# Altium PCB Radio_Receiver.PcbDoc (part 2 of 2)
Units mm, origin at the board's own origin, x right, y up, seen from the top; angles counter-clockwise.
Board outline 171.37 x 56.18 mm, 6 copper layers (Signal, Ground 1, 3V3_5V_12V, Ground 2, -5V_1V9, Ground 3), stack 1.619 mm thick; 106 components, 61 nets, 372 pads, 124 vias.
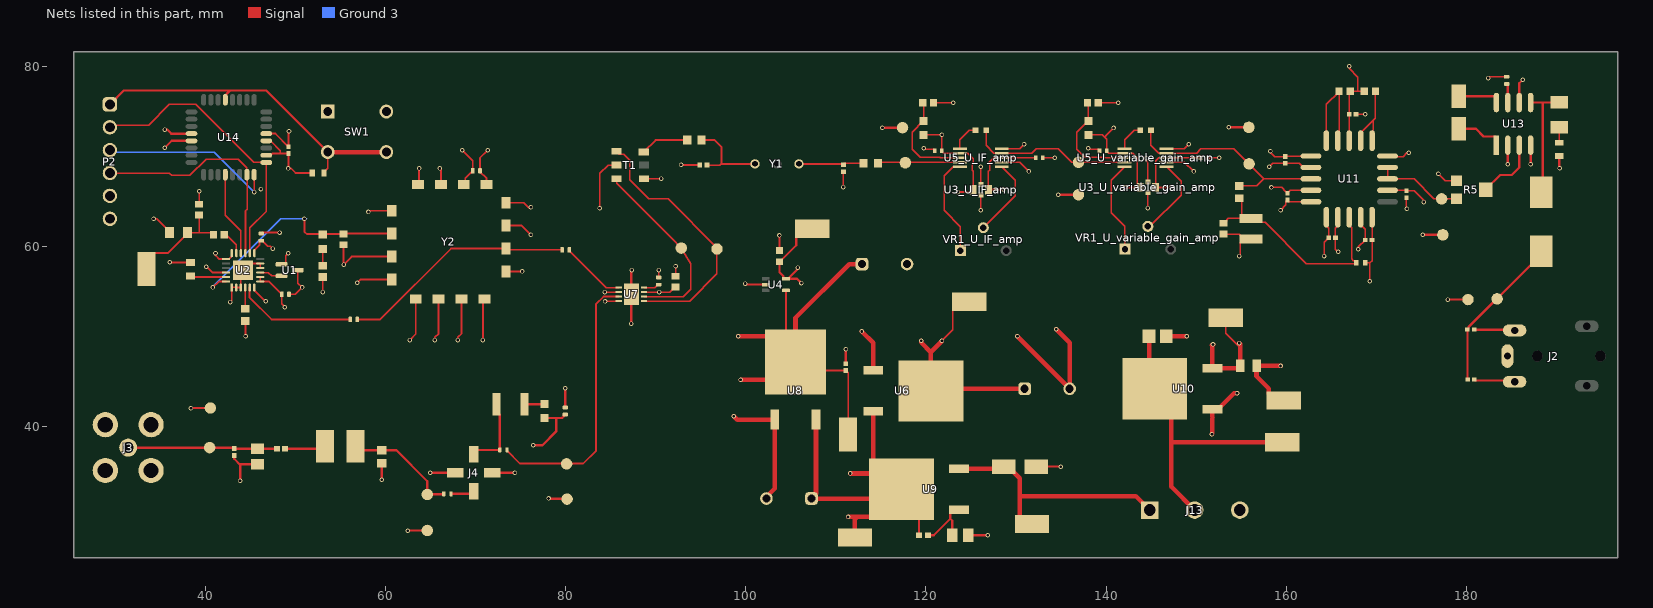
[diagram p6: the nets of this part, all layers, seen from the top]

## Part data (continued)
U2: library part CMP-09077-000033-1, "IC PLL FREQ SYNTHESIZER 24LFCSP", Frequency=13.5GHz, Max Frequency=2GHz, Max Operating Temperature=125°C, Max Supply Voltage=3.45V, Min Operating Temperature=-40°C, Min Supply Voltage=2.7V, Input=CMOS, Lead Free="Contains Lead", Mount="Surface Mount", Number of Circuits=1, Number of Pins=24, Packaging=Tray, PLL=Yes, REACH SVHC="No SVHC", RoHS Compliant=Yes
U3_U_IF_amp U3_U_variable_gain_amp: "No Description Available", Manufacturer_Name="Johanson Technology", Copyright="Copyright (C) 2025 Ultra Librarian. All rights reserved.", Manufacturer_Part_Number=100X14W104MV4T
U4: library part CMP-0394-00881-2, "Single Output LDO, 50 mA, Fixed 1.9 V Output, 3 to 24 V Input, 5-pin SC70 (DCK), -40 to 85 degC, Green (RoHS & no Sb/Br)", Manufacturer="Texas Instruments", Accuracy(%)=4, Code_JEDEC=MO-203, ComponentLink1Description="Manufacturer URL", ComponentLink1URL=http://www.ti.com/, ComponentLink2Description=Datasheet, ComponentLink2URL=http://www.ti.com/general/docs/lit/getliterature.tsp?genericPartNumber=TPS71519&fileType=pdf, ComponentLink3Description="Package Specification", ComponentLink3URL=http://www.ti.com/litv/pdf/mpds025f, DatasheetVersion=SLVS338P, Eco-Plan="Green (RoHS & no Sb/Br)", Fixed Output Options(V)=1.9, Iout(Max)(A)=0.05, Iq(Typ)(mA)=0.003, Mounting Technology="Surface Mount", PackageDescription="5-Pin Plastic Small-Outline, Body 2 x 1.25 mm, Pitch 0.65 mm", PackageReference=DCK0005A, PackageVersion=4093553-3/G, PartNumber=TPS71519DCKR, SubFamily="Single Channel LDO", Vdo(Typ)(mV)=415, Vin(Max)(V)=24, Vin(Min)(V)=3, Vout Adj(Max)(V)=1.9, Vout Adj(Min)(V)=1.9
U5_U_IF_amp U5_U_variable_gain_amp: library part CMP-0988-00055-2, "Wideband 420 MHz, > 40 dB Gain Adjust Range, Linear in V/V Variable Gain Amplifier, -40 to 85 degC, 10-pin SOP (DGS10), Green (RoHS & no Sb/Br)", Manufacturer="Texas Instruments", BW @ Acl(MHz)=710, Code_JEDEC=MO-153, ComponentLink1Description="Manufacturer URL", ComponentLink1URL=http://www.ti.com/, ComponentLink2Description=Datasheet, ComponentLink2URL=http://www.ti.com/general/docs/lit/getliterature.tsp?genericPartNumber=VCA824&fileType=pdf, ComponentLink3Description="Package Specification", ComponentLink3URL=http://www.ti.com/lit/ml/mpds035b/mpds035b.pdf, DatasheetVersion=SBOS394C, Eco-Plan="Green (RoHS & no Sb/Br)", Iib(Max)(nA)=25000, Mounting Technology="Surface Mount", Number of Channels=1, PackageDescription="10-Pin Plastic Small Outline, Body 3 x 3 mm, Pitch 0.5 mm", PackageReference=DGS0010A, PackageVersion="4073272/C, 02/2004", PartNumber=VCA824IDGST, Slew Rate(Typ)(V/us)=2500, SubFamily="Variable Gain Amplifier", Vio(Max)(mV)=17, Vn at Flatband(Typ)(nV/rtHz)=6, Vs(Max)(V)=12, Vs(Min)(V)=8
U6 U8: library part AZ1117ID-3.3TRG1, "Adjustable Positive LDO Regulator, 1.4V Dropout, PSSO2", Dropout Voltage1-Max=1.4V, Input-Output Voltage Differential-Max=10V, Input-Output Voltage Differential-Min=1.5V, Manufacturer=Diodes, Manufacturer Part Number=AZ1117ID-ADJTRG1, Mfr_Name="Diodes Inc", Operating Temperature, TJ-Max=125°C, Operating Temperature, TJ-Min=-40°C, Output Current1-Max=800mA, Package Body Material=Plastic, Package Code=TO-252, Package Shape=Rectangular, Package Style="SMALL OUTLINEMeter", Supplier Part Number 1=31-AZ1117ID-ADJTRG1CT-ND, Category="Voltage Regulators - Linear", ComponentLink1Description=https://datasheet.ciiva.com:443/pdfs/VipMasterIC/IC/DIOD/DIOD-S-A0001413888/DIOD-S-A0001413888-1.pdf?src-supplier=IHS+Markit, ComponentLink1URL=https://datasheet.ciiva.com:443/pdfs/VipMasterIC/IC/DIOD/DIOD-S-A0001413888/DIOD-S-A0001413888-1.pdf?src-supplier=IHS+Markit, ComponentLink2Description=http://www.mouser.com/ds/2/115/AZ1117-776390.pdf?src-supplier=Mouser, ComponentLink2URL=http://www.mouser.com/ds/2/115/AZ1117-776390.pdf?src-supplier=Mouser, Height - Seated (Max)=2.52mm, JESD-30 Code=R-PSSO-G2, Length=6.575mm, Number of Functions=1, Number of Pins=2, Pricing 1="1=0.72, 10=0.446, 25=0.372, 100=0.2877, 250=0.24612, 500=0.2206, 1000=0.19932 (USD)", Reach SVHC Compliant=Yes, RefDes=RefDes, Regulator Type="ADJUSTABLE POSITIVE SINGLE OUTPUT LDO REGULATOR", RoHS=Yes, RoHS Compliant=Yes, Stock 1=2477, Supplier 1=Digikey, Surface Mount=Yes, Terminal Form="Gull Wing", Terminal Pitch=2.286mm, Terminal Position=SINGLE, Type=Type, Width=6.1mm
U7: library part CMP-09144-000056-1, "IC MIXER 10KHZ-4GHZ UP/DWN 8DFN", Case/Package=DFN, Frequency=10kHz, Max Frequency=4GHz, Max Operating Temperature=85°C, Max Supply Voltage=5V, Min Operating Temperature=-40°C, Min Supply Voltage=2.7V, Operating Supply Current=12mA, Operating Supply Voltage=3V, Package Quantity=121, Power Gain=2.7dB, Bandwidth=4GHz, Gain=2.4dB, Height=0.7mm, Lead Free="Lead Free", Length=3mm, Min Frequency=10kHz, Mount="Surface Mount", Noise Figure=9.3dB, Number of Pins=8, Packaging=Rail/Tube, Radiation Hardening=No, RoHS Compliant=Yes, Series=LT5560, Width=3mm
U9: library part AZ1117ID-3.3TRG1, "Adjustable Positive LDO Regulator, 1.4V Dropout, PSSO2", Dropout Voltage1-Max=1.4V, Input-Output Voltage Differential-Max=10V, Input-Output Voltage Differential-Min=1.5V, Manufacturer=Diodes, Mfr_Name="Diodes Inc", Operating Temperature, TJ-Max=125°C, Operating Temperature, TJ-Min=-40°C, Output Current1-Max=800mA, Package Body Material=Plastic, Package Code=TO-252, Package Shape=Rectangular, Package Style="SMALL OUTLINEMeter", Supplier Part Number 1=31-AZ1117ID-ADJTRG1CT-ND, Category="Voltage Regulators - Linear", ComponentLink1Description=https://datasheet.ciiva.com:443/pdfs/VipMasterIC/IC/DIOD/DIOD-S-A0001413888/DIOD-S-A0001413888-1.pdf?src-supplier=IHS+Markit, ComponentLink1URL=https://datasheet.ciiva.com:443/pdfs/VipMasterIC/IC/DIOD/DIOD-S-A0001413888/DIOD-S-A0001413888-1.pdf?src-supplier=IHS+Markit, ComponentLink2Description=http://www.mouser.com/ds/2/115/AZ1117-776390.pdf?src-supplier=Mouser, ComponentLink2URL=http://www.mouser.com/ds/2/115/AZ1117-776390.pdf?src-supplier=Mouser, Height - Seated (Max)=2.52mm, JESD-30 Code=R-PSSO-G2, Length=6.575mm, Manufacturer Part Number=AZ1117ID-ADJTRG1, Number of Functions=1, Number of Pins=2, Pricing 1="1=0.72, 10=0.446, 25=0.372, 100=0.2877, 250=0.24612, 500=0.2206, 1000=0.19932 (USD)", Reach SVHC Compliant=Yes, RefDes=RefDes, Regulator Type="ADJUSTABLE POSITIVE SINGLE OUTPUT LDO REGULATOR", RoHS=Yes, RoHS Compliant=Yes, Stock 1=2477, Supplier 1=Digikey, Surface Mount=Yes, Terminal Form="Gull Wing", Terminal Pitch=2.286mm, Terminal Position=SINGLE, Type=Type, Width=6.1mm
U10: "No Description Available", Mfr_Name=onsemi, RefDes=RefDes, Type=Type
U11: library part CMP-0286-00001-1, "Low Distortion Mixer, 100mA Supply Current, P-20A, Pb-Free, 49 	Tube", IF Frequency (MHz)=200, LO Frequency (MHz)=400, Code_JEDEC=MO-047AA, ComponentLink1Description="Manufacturer URL", ComponentLink1URL=www.analog.com, ComponentLink2Description=Datasheet, ComponentLink2URL=http://www.analog.com/static/imported-files/data_sheets/AD831.pdf, ComponentLink3Description="Package Specification", ComponentLink3URL=http://www.analog.com/static/imported-files/packages/3121431516544404277643669223804694P20A.pdf, Conversion Gain (dB)=0dB, DatasheetVersion="Rev. C", IP3 (dBm)=24, NF (dB)=14dB, P1dB (dBm)=10, PackageDescription="20-Lead Plastic Leaded Chip Carrier [PLCC]", PackageReference=P-20A, PackageVersion=Nov-2002, RF Frequency (MHZ)=400
U13: library part CMP-0994-00003-2, "IC AMP CLASS AB MONO 325MW 8SOIC", Case/Package=D, Input Bias Current=250nA, Max Operating Temperature=70°C, Max Output Power=325mW, Max Power Dissipation=730mW, Max Supply Voltage=12V, Min Operating Temperature=0°C, Min Supply Voltage=4V, Nominal Supply Current=4mA, Operating Supply Voltage=9V, Package Quantity=2500, Power Supply Rejection Ratio (PSRR)=50dB, Voltage Gain=46dB, Bandwidth=300kHz, Contact Plating=Tin, Gain=20dB, Lead Free="Lead Free", Load Impedance=8R, Number of Channels=1, Number of Pins=8, Output Power=325mW, Packaging="Tape and Reel", Power Dissipation=730mW, Radiation Hardening=No, REACH SVHC="No SVHC", RoHS Compliant=Yes, Series=LM386, Supply Current=4mA, Supply Type=Single
U14: library part CMP-2000-07439-1, "AVR Microcontroller, 1.8 to 5.5 V, 32 KB Flash, 1 KB EEPROM, 2 KB SRAM, -40 to 85 degC, 32-Pin TQFP (32A), RoHS, Tray", Manufacturer=Microchip, Package Description="32-Pin Thin Profile Plastic Quad Flat Package, Body 7 x 7 mm, Pitch 0.8 mm", Package Reference=32A, Datasheet URL=http://ww1.microchip.com/downloads/en/DeviceDoc/40001906A.pdf, Datasheet Version="Rev. A, 04/2017", Manufacturer URL=http://www.microchip.com/, Mounting Technology=SurfaceMount, RoHSCompliant=false
VR1_U_IF_amp VR1_U_variable_gain_amp: "250 Ohms 0.5W, 1/2W PC Pins Through Hole Trimmer Potentiometer Cermet 1.0 Turn Top Adjustment", Package="3362P-1 Bourns Inc.", Availability="In Stock", Check_prices=https://www.snapeda.com/parts/3362P-1-251LF/Bourns/view-part/?ref=eda, MF=Bourns, MP=3362P-1-251LF, Price=None, Purchase-URL=https://pricing.snapeda.com/search/part/3362P-1-251LF/?ref=eda, SnapEDA_Link=https://www.snapeda.com/parts/3362P-1-251LF/Bourns/view-part/?ref=snap
Y1: "10.7MHz Center 3 kOhms Monolithic Crystal Filter Through Hole 2dB 15kHz", Package="HC-49/U ECS International", Availability=Unavailable, DigiKey-Purchase-URL=https://snapeda.com/shop?store=DigiKey&id=2716386, MF="ECS International", MP=ECS-10.7-15A, Price=None, SnapEDA_Link=https://www.snapeda.com/parts/ECS-10.7-15A/ECS%20International/view-part/2716386/?ref=snap
Y2: library part CMP-82233-000009-1, "VCO 85MHZ 0.5-10V 12.7X12.7MM", Case/Package=SMD/SMT, Frequency=110MHz, Load Capacitance=330pF, Max Operating Temperature=85°C, Min Operating Temperature=-40°C, Operating Supply Voltage=5V, Package Quantity=5, Height=0.15inch, Length=0.5inch, Number of Pins=16, Operating Frequency=110MHz, Packaging=Strip, Reach SVHC Compliant=Yes, Series=CVCO55, Termination=SMD/SMT, Width=0.5inch

## Free pads (board coordinates)
  round 1.27 smd: 2(40.488,37.643) 2(40.564,42.037) 2(64.643,28.448) 2(64.643,32.436) 2(80.11,35.839) 2(80.162,31.928) 2(92.837,59.792) 2(96.799,59.69) 2(117.399,73.152) 2(117.704,69.266) 2(136.931,65.71) 2(136.931,69.317) 2(155.836,73.199) 2(155.868,69.148) 2(177.241,65.253) 2(177.368,61.265) 2(180.162,54.077) 2(183.4,54.157)

## Via types
v1: diameter 0.5, hole 0.3, Signal to Ground 3, tented both sides, 92 vias
v2: diameter 0.5, hole 0.3, Signal to Ground 3, 32 vias

## Nets (pads, with @x,y where several pads share a name; then routed paths per layer and width w, separated by ;. In a path a pad name is that pad's centre, name@x,y a point inside that pad or via, vN(x,y) a via of type N, cw(c..) or ccw(c..) an arc to the next point about the centre after c; other vN are vias at no path point)
+1V9: C8.1 C46.1 J12.1 R23.2 U2.13 U2.18 U2.19 U4.5 | length 20.2
  Signal w0.203: v1(34.255,63.043) 34.625,63.043 36.049,61.619 R23.2@36.049,61.519 ; v1(41.135,59.233) 41.135,58.979 41.54,58.574 U2.19@42.294,58.574 42.628,58.574 42.945,58.892 U2.18@42.945,59.225 ; U2.13@45.445,59.225 45.445,59.559 46.011,60.125 46.011,60.506 46.116,60.611 C8.1@46.215,60.611 46.315,60.611 46.931,59.995 47.231,59.995 v1(47.485,59.741)
  Signal w0.254: v1(105.766,57.633) 105.766,57.474 U4.5@104.685,56.393 ; v2(106.172,55.905) 105.685,56.393 U4.5@104.685,56.393 ; J12.1@107.366,61.925 106.481,61.925 105.593,61.037 105.593,60.108 103.761,58.276 C46.1@103.734,58.276 103.734,57.119 104.162,56.691 104.162,56.466 104.235,56.393 U4.5@104.46,56.393 U4.5@104.685,56.393
+3V3: C16.2 C22.2 C28.1 C37.1 C41.1 J8.1 P2.6 R2.2 T1.5 U1.1 U2.6 U2.7 U2.8 U2.22 U4.4 U7.2 U7.7 U8.2 U14.4 U14.18 U14.20 | length 83.1
  Signal w0.152: U1.1@48.463,57.993 48.737,57.993 48.907,58.163 48.907,58.915 v1(49.225,59.233) ; C16.2@48.501,54.661 48.501,53.607 48.822,53.286 v1(48.822,53.219) ; v2(83.771,64.212) 83.771,68.072 84.711,69.012 T1.5@85.65,69.012 ; v2(84.328,54.915) 84.332,54.911 U7.2@85.9,54.911 ; U7.7@88.7,54.911 v2(90.387,54.909) v2(90.387,54.909) 91.563,54.909 92.127,55.474 C22.2@92.202,55.474 ; C41.1@111.1,46.203 111.1,46.181 111.354,45.927 J8.1@111.354,39.091
  Signal w0.203: v1(40.119,57.709) 40.179,57.709 40.814,57.074 U2.22@42.294,57.074 ; U2.6@45.445,55.423 45.445,55.089 46.636,53.899 v1(46.723,53.899) ; U2.8@46.096,56.574 U2.7@46.096,56.074 47.088,56.074 C16.2@48.501,54.661 ; U14.18@46.771,70.095 47.24,70.095 47.429,70.284 48.327,70.284 ; U14.20@46.771,71.695 47.238,71.695 48.327,70.605 48.327,70.284 ; R2.2@51.877,68.123 50.022,68.123 49.514,68.631 v1(49.225,68.631) C37.1@49.225,70.284 48.327,70.284
  Signal w0.254: v1(35.509,72.949) 35.784,72.949 36.238,72.495 U14.4@38.471,72.495 ; U8.2@104.46,48.202 U4.4@104.46,55.093 ; U8.2@106.459,46.203 C41.1@111.1,46.203
  Signal w0.508: v1(99.162,50.013) 102.636,50.013 U8.2@104.453,48.195 ; v1(99.416,45.187) 103.562,45.187 U8.2@105.512,47.137 ; U8.2@106.459,46.203 U8.2@105.512,47.15 105.512,52.045 111.479,58.012 C28.1@112.9,58.012
+5: C11.1 C13.1 C14.1 C15.1 C20.1 C23_U_IF_amp.1 C23_U_variable_gain_amp.1 C26.1 C43.1 J6.1 R7_U_IF_amp.2 R7_U_variable_gain_amp.2 U3_U_IF_amp.2 U3_U_variable_gain_amp.2 U5_U_IF_amp.2 U5_U_variable_gain_amp.2 U6.2 U11.1 U11.9 U11.12 U13.6 Y2.14 | length 78.1
  Signal w0.152: R7_U_IF_amp.2@119.736,72.352 119.749,72.365 v2(121.768,72.365) C23_U_IF_amp.1@121.768,70.587 ; C23_U_IF_amp.1@121.768,70.537 121.98,70.325 U5_U_IF_amp.2@123.761,70.325 123.78,70.305 124.643,70.305 125.235,69.713 125.235,69.323 125.12,69.208 125.12,68.409 125.235,68.295 U3_U_IF_amp.2@125.235,66.269 ; v1(121.768,49.518) 122.992,50.741 122.992,52.884 123.931,53.823 J6.1@124.816,53.823 ; R7_U_variable_gain_amp.2@138.024,72.352 139.576,72.352 139.816,72.112 ; C23_U_variable_gain_amp.1@140.056,70.537 140.268,70.325 U5_U_variable_gain_amp.2@142.049,70.325 142.068,70.305 142.931,70.305 143.472,69.764 143.472,66.827 U3_U_variable_gain_amp.2@143.777,66.523 ; C23_U_variable_gain_amp.1@140.056,70.587 140.056,71.872 139.816,72.112 ; v1(140.818,73.127) 140.062,72.371 140.062,72.358 139.816,72.112 ; v1(164.186,58.903) 164.186,60.422 C13.1@164.698,60.935 164.698,61.991 164.44,62.249 U11.9@164.44,63.221 ; U11.1@166.98,71.721 C14.1@166.98,74.651 166.98,76.833 167.201,77.054 C43.1@167.234,77.054 ; v1(166.98,79.985) 166.98,79.731 167.937,78.774 167.937,77.191 ; C43.1@167.166,77.123 167.234,77.191 167.937,77.191 ; v2(167.996,59.665) 167.996,59.94 168.736,60.681 C20.1@168.758,60.681 168.758,61.863 168.25,62.371 U11.12@168.25,63.221 ; C11.1@168.64,77.191 167.937,77.191
  Signal w0.203: Y2.14@68.135,67.259 68.542,66.853 Y2.14@68.694,66.853 68.864,67.023 68.864,67.55 69.487,68.173 69.586,68.173 69.691,68.278 C15.1@69.691,68.377 69.691,69.501 v1(68.529,70.663)
  Signal w0.254: v1(123.546,66.015) 124.981,66.015 U3_U_IF_amp.2@125.235,66.269 ; v1(142.088,66.523) U3_U_variable_gain_amp.2@143.777,66.523 ; U13.6@185.852,75.947 185.852,78.08 v2(186.233,78.461)
  Signal w0.508: v1(119.482,49.518) 119.482,49.315 120.548,48.249 ; v1(121.768,49.518) 121.768,49.469 120.548,48.249 ; C26.1@130.952,44.171 120.783,44.171 U6.2@120.548,43.936 120.548,48.249
+12: C1.2 C30.1 J5.1 R1.2 R9.2 U6.3 U8.3 U9.2 | length 51.9
  Signal w0.254: v1(76.403,37.897) 77.419,37.897 78.943,39.421 78.943,40.934 ; R1.2@77.698,40.934 78.943,40.934 ; C1.2@79.959,41.307 79.859,41.307 79.779,41.227 79.779,41.127 79.586,40.934 78.943,40.934 ; U9.2@117.278,33.008 119.228,31.058 R9.2@119.228,27.915
  Signal w0.508: U8.3@107.792,40.737 107.792,32.533 107.29,32.031 107.29,31.979 U9.2@116.262,31.979 ; v1(111.354,29.947) 112.37,29.947 ; v1(111.608,34.773) U9.2@115.5,34.773 ; J5.1@112.116,27.661 112.116,29.693 112.37,29.947 ; U6.3@114.148,41.656 114.148,36.138 U9.2@115.5,34.786 ; U9.2@114.23,29.947 112.37,29.947 ; U9.2@114.23,29.96 U9.2@117.278,33.008
+15: C29.1 J9.1 J13.1 U9.3 | length 27.7
  Signal w0.508: U9.3@123.678,35.288 128.379,35.288 C29.1@128.626,35.535 129.126,35.535 130.404,34.257 130.404,32.233 ; J9.1@130.404,28.931 130.404,32.233 ; J13.1@144.831,30.709 143.307,32.233 130.404,32.233
-5: C21.1 C24_U_IF_amp.1 C24_U_variable_gain_amp.1 C31.2 C35.1 C36.1 J10.1 U3_U_IF_amp.1 U3_U_variable_gain_amp.1 U5_U_IF_amp.8 U5_U_variable_gain_amp.8 U10.3 U11.5 U11.8 U11.15 | length 46.4
  Signal w0.152: U3_U_IF_amp.1@126.936,66.269 126.936,68.295 127.051,68.409 127.051,69.208 126.991,69.268 127.528,69.805 128.391,69.805 U5_U_IF_amp.8@128.411,69.825 C24_U_IF_amp.1@132.182,69.825 ; U3_U_variable_gain_amp.1@145.478,66.523 145.478,69.467 145.816,69.805 146.679,69.805 U5_U_variable_gain_amp.8@146.699,69.825 C24_U_variable_gain_amp.1@150.47,69.825 ; J10.1@153.264,52.045 153.264,50.358 154.879,48.743 ; v1(158.09,68.809) 158.473,69.192 C21.1@159.868,69.192 161.428,69.192 161.88,68.741 U11.5@162.73,68.741 ; v1@159.36,63.955 v1(159.36,63.983) 159.962,64.585 159.962,64.968 C36.1@160.122,65.128 160.122,65.107 160.282,64.947 162.714,64.947 U11.8@162.73,64.931 ; U11.15@171.23,66.201 173.268,66.201 C35.1@173.33,66.139 174.221,66.139 175.362,64.999 175.353,64.999 v1(175.26,64.905)
  Signal w0.254: U3_U_IF_amp.1@126.936,66.269 v1(128.626,66.269) ; U3_U_variable_gain_amp.1@145.478,66.523 v1(147.168,66.523)
  Signal w0.508: v1(151.859,49.092) 151.835,49.092 151.74,48.997 151.79,48.947 U10.3@151.79,46.451 154.658,46.451 154.879,46.672 C31.2@154.879,46.711 154.879,48.743 154.879,49.16 v1(154.788,49.251)
-15: C32.2 J11.1 J13.2 U10.2 | length 33.8
  Signal w0.508: C32.2@144.76,50.013 144.76,44.801 U10.2@145.39,44.171 147.218,42.342 147.218,38.125 ; J13.2@149.831,30.709 147.218,33.321 147.218,38.125 ; J11.1@159.537,38.252 147.345,38.252 147.218,38.125
GND: C1.1 C5.1 C6.1 C8.2 C10.2 C12.1 C13.2 C14.2 C15.2 C16.1 C17.2 C19.1 C20.2 C21.2 C22.1 C23_U_IF_amp.2 C23_U_variable_gain_amp.2 C24_U_IF_amp.2 C24_U_variable_gain_amp.2 C26.2 C28.2 C29.2 C30.2 C31.1 C32.1 C34.2 C35.2 C36.2 C37.2 C39.2 C40.2 C41.2 C42.2 C46.2 J2.1 J3.2 J3.3 J3.4 J3.5 J4.2 J4.4 J7.1 J13.3 L3.2 L10.2 P2.5 pad.2@40.564,42.037 pad.2@64.643,28.448 pad.2@80.162,31.928 pad.2@117.399,73.152 pad.2@136.931,65.71 pad.2@155.836,73.199 pad.2@177.368,61.265 pad.2@180.162,54.077 R5.1 R6.1 R10_U_IF_amp.2 R10_U_variable_gain_amp.2 R12.1 R13.1 R15.1 R22.1 SW1.1 SW1.2 T1.3 U1.3 U2.1 U2.2 U2.3 U2.10 U2.11 U2.25 U3_U_IF_amp.3 U3_U_IF_amp.4 U3_U_variable_gain_amp.3 U3_U_variable_gain_amp.4 U4.2 U5_U_IF_amp.7 U5_U_IF_amp.10 U5_U_variable_gain_amp.7 U5_U_variable_gain_amp.10 U6.1 U7.4 U7.9 U8.1 U10.1 U11.4 U11.7 U11.10 U11.13 U11.18 U13.2 U13.4 U14.5 U14.21 Y2.1 Y2.3 Y2.4 Y2.5 Y2.6 Y2.7 Y2.8 Y2.9 Y2.11 Y2.12 Y2.13 Y2.15 Y2.16 | length 259.2
  Signal w0.152: C42.2@39.319,64.659 v1(39.319,66.091) ; v1(42.768,53.797) 42.945,53.975 U2.1@42.945,55.423 U2.2@43.445,55.423 ; C16.1@49.301,54.661 49.987,54.661 v1(50.749,55.423) 50.283,55.889 U1.3@50.283,57.343 ; v2(84.38,53.872) 84.399,53.892 85.881,53.892 U7.4@85.9,53.911 ; T1.3@88.698,67.488 90.603,67.488 v2(90.629,67.514) ; C6.1@90.322,56.534 v2(90.322,57.353) ; C22.1@92.202,56.674 v2(92.202,57.76) ; v1(119.736,70.862) 119.838,70.76 120.844,70.76 120.968,70.637 C23_U_IF_amp.2@120.968,70.587 ; R10_U_IF_amp.2@120.845,75.921 v1(123.038,75.921) ; v1(126.084,64) 126.086,63.998 U3_U_IF_amp.3@126.086,65.672 ; U3_U_IF_amp.4@126.086,66.865 v1(126.086,68.809) ; U5_U_IF_amp.7@128.411,69.325 130.396,69.325 v1(131.42,68.301) ; U5_U_IF_amp.10@128.411,70.825 130.388,70.825 v1@130.885,71.322 ; C24_U_IF_amp.2@132.982,69.825 134.275,69.825 v1(134.281,69.831) ; v1(138.024,70.862) 138.126,70.76 139.132,70.76 139.256,70.637 C23_U_variable_gain_amp.2@139.256,70.587 ; R10_U_variable_gain_amp.2@139.133,75.921 v1(141.326,75.921) ; v1(144.477,69.755) 144.374,69.651 144.374,69.571 144.628,69.317 U3_U_variable_gain_amp.4@144.628,67.12 ; v1(144.628,64.237) U3_U_variable_gain_amp.3@144.628,65.926 ; U5_U_variable_gain_amp.7@146.699,69.325 148.684,69.325 v1(149.708,68.301) ; U5_U_variable_gain_amp.10@146.699,70.825 148.676,70.825 v1@149.173,71.322 ; C24_U_variable_gain_amp.2@151.27,69.825 152.563,69.825 v1(152.569,69.831) ; 151.79,41.123 151.994,40.919 ; C34.2@153.01,61.351 154.753,61.351 L10.2@155.295,60.808 ; v1(154.788,58.903) 154.864,58.979 154.864,60.377 L10.2@155.295,60.808 ; L10.2@156.058,60.808 L10.2@155.295,60.808 ; v1(158.241,70.529) 158.241,70.435 158.727,69.949 C21.2@159.868,69.949 159.929,70.011 U11.4@162.73,70.011 ; v1(158.344,66.523) 159.484,66.523 159.94,66.067 159.962,66.067 C36.2@160.122,65.907 ; C36.2@160.122,65.885 C36.2@160.122,65.907 ; U11.7@162.73,66.201 160.416,66.201 C36.2@160.122,65.907 ; U11.10@165.71,63.221 165.71,62.249 165.456,61.995 C13.2@165.456,60.935 165.456,59.665 165.71,59.411 165.731,59.411 v1(165.758,59.384) ; C14.2@167.737,74.651 v1(168.758,74.651) ; R13.1@168.742,58.141 169.278,58.141 ; v2(169.266,56.109) 169.278,56.121 169.278,58.141 ; U11.13@169.52,63.221 169.52,58.382 169.278,58.141 ; U11.18@171.23,70.011 171.315,69.925 172.951,69.925 173.392,70.366 v1(173.599,70.366) ; C35.2@173.33,65.382 173.33,64.196 v1(173.384,64.141) ; v1(176.886,68.047) 177.664,67.269 R5.1@178.896,67.269 ; v1(182.423,78.664) 182.569,78.81 C12.1@184.455,78.81 ; v2(187.111,69.097) 187.121,69.088 187.147,69.088 v2@187.122,69.113
  Signal w0.203: v2@36.055,58.217 v2(36.067,58.205) R22.1@38.341,58.205 ; U2.2@43.445,55.423 U2.3@43.945,55.423 43.945,57.074 U2.25@44.195,57.324 ; U2.25@43.445,58.074 U2.25@44.195,57.324 ; U2.10@46.096,57.574 U2.11@46.096,58.074 44.945,58.074 U2.25@44.195,57.324 ; C8.2@46.215,61.411 46.323,61.519 v2(48.247,61.519) ; U14.21@46.771,72.495 47.793,72.495 C37.2@49.225,71.063 ; C37.2@49.225,71.041 C37.2@49.225,71.063 ; v1(49.294,72.753) 49.283,72.753 49.225,72.695 C37.2@49.225,71.063 ; v1(53.035,54.915) C10.2@53.035,56.581 ; C17.2@55.359,60.157 v1(55.359,57.963) 56.248,58.852 Y2.3@60.693,58.852 ; v1(56.883,55.931) 57.264,56.312 Y2.4@60.693,56.312 ; v2(58.115,63.805) 58.242,63.932 Y2.1@60.693,63.932 ; v1(62.687,49.581) 63.36,50.254 Y2.5@63.36,54.153 ; Y2.16@63.614,66.853 63.741,66.98 v1(63.741,68.631) ; v1(65.481,49.581) 65.481,49.869 65.9,50.288 Y2.6@65.9,54.153 ; v1(66.027,68.631) 66.154,68.504 Y2.15@66.154,66.853 ; v1(68.021,49.581) 68.021,49.869 68.44,50.288 Y2.7@68.44,54.153 ; C15.2@70.491,68.278 71.222,67.547 71.222,66.865 Y2.13@71.234,66.853 Y2.13@71.387,66.853 ; C15.2@70.491,68.377 70.491,69.793 v1(71.361,70.663) ; v1(70.815,49.581) 70.815,53.988 Y2.8@70.98,54.153 ; Y2.9@73.393,57.201 v1(75.171,57.201) ; Y2.11@73.393,62.281 75.133,62.281 v1(76.149,61.265) ; Y2.12@73.393,64.821 75.353,64.821 75.861,64.313 v1(76.149,64.313) ; v1(92.813,69.038) 92.829,69.021 94.88,69.021 C39.2@94.896,69.005 ; v1(110.807,66.568) 110.822,66.582 C40.2@110.822,68.231
  Signal w0.254: v1(35.509,70.917) 36.287,71.695 U14.5@38.471,71.695 ; v2(38.405,42.012) 38.43,42.037 pad.2@40.564,42.037 ; 43.205,36.474 43.205,36.398 43.888,35.716 ; v2(43.866,33.96) 43.888,33.982 43.888,35.792 L3.2@45.796,35.792 ; C19.1@44.437,51.7 44.476,51.661 v1(44.476,49.998) ; v2(59.588,34.087) R12.1@59.588,35.902 ; v2(62.484,28.423) 62.509,28.448 pad.2@64.643,28.448 ; v1(64.973,34.849) J4.4@67.729,34.849 ; J4.2@71.869,34.849 v1(74.371,34.849) ; v2(78.103,32.002) 78.141,31.965 80.125,31.965 pad.2@80.162,31.928 ; C1.1@79.959,42.215 v1(79.959,44.245) ; v2(87.279,51.417) 87.308,51.417 87.325,51.435 87.3,51.46 U7.9@87.3,54.661 87.3,57.328 v2(87.325,57.353) ; v1(99.924,55.855) 100.036,55.743 U4.2@102.21,55.743 ; C46.2@103.734,59.53 v1(103.734,61.189) ; C41.2@111.1,46.96 111.1,48.533 v1(111.113,48.547) ; v2(115.164,73.152) pad.2@117.399,73.152 ; R15.1@124.675,27.915 v2(126.848,27.915) ; C29.2@132.226,35.535 v1(134.976,35.535) ; v2(134.696,65.71) pad.2@136.931,65.71 ; v2(153.601,73.199) pad.2@155.836,73.199 ; v2(175.133,61.265) pad.2@177.368,61.265 ; v2(177.902,54.077) pad.2@180.162,54.077 ; v2(184.582,69.088) U13.2@184.582,71.22 ; v2@187.122,69.113 U13.4@187.122,71.22 ; R6.1@190.297,70.028 190.297,68.682 v2(190.322,68.656)
  Signal w0.508: v1(98.654,41.123) 99.04,40.737 103.232,40.737 103.232,33.104 102.29,32.162 C30.2@102.29,31.979 ; v1(112.878,50.534) 114.148,49.264 U6.1@114.148,46.216 ; v1(130.15,50.013) 130.15,49.993 C26.2@135.952,44.191 ; v1(134.468,50.775) 135.952,49.291 C26.2@135.952,44.191 ; C26.2@135.952,44.171 C26.2@135.952,44.191 ; C32.1@146.66,50.013 v1(148.946,50.013) ; v1(151.74,39.141) 151.79,39.191 151.79,40.919 ; 151.79,41.123 U10.1@151.79,41.891 152.415,41.891 154.187,43.663 v1(154.534,43.663) ; v1(159.36,46.711) C31.1@156.729,46.711 156.689,46.671 156.689,45.546 158.069,44.166 158.069,43.636 158.983,42.723 J7.1@159.512,42.723
  other v1: 46.177,66.345 130.885,71.322 149.173,71.322
IFN: C43.2 U11.2 U11.3 | length 11.6
  Signal w0.152: U11.3@164.44,71.721 164.44,75.754 165.846,77.16 C43.2@165.846,77.191 165.846,72.828 165.71,72.692 U11.2@165.71,71.721
IFP: C11.2 U11.19 U11.20 | length 8.4
  Signal w0.152: U11.20@168.25,71.721 168.25,72.571 169.637,73.958 ; U11.19@169.52,71.721 169.605,71.806 169.605,72.851 169.637,72.884 169.637,73.958 ; C11.2@169.891,77.191 169.891,74.212 169.637,73.958
NetC2_1: C2.1 L2.2 pad.2@64.643,32.436 R12.2 | length 12.9
  Signal w0.254: L2.2@56.691,37.795 57.148,37.338 61.214,37.338 64.643,33.909 pad.2@64.643,32.436 ; pad.2@64.643,32.451 C2.1@66.482,32.451
NetC2_2: C2.2 J4.1 | length 2.6
  Signal w0.254: C2.2@67.277,32.512 69.532,32.512 J4.1@69.799,32.779
NetC3_1: C3.1 J4.3 L1.1 | length 8.3
  Signal w0.254: J4.3@69.799,36.919 69.799,37.008 70.18,37.389 C3.1@72.591,37.389 ; L1.1@72.313,42.471 72.313,41.671 72.701,41.283 C3.1@72.701,37.389
NetC3_2: C3.2 pad.2@80.11,35.839 U7.3 | length 30.3
  Signal w0.203: C3.2@73.501,37.389 73.501,37.289 74.909,35.881 81.956,35.881 83.388,37.313 83.388,53.593 84.206,54.411 U7.3@85.9,54.411
NetC4_1: C4.1 C5.2 J3.1 L3.1 pad.2@40.488,37.643 | length 16.7
  Signal w0.254: J3.1@31.445,37.643 42.924,37.643 43.016,37.551 43.072,37.551 43.205,37.418 43.205,37.398 43.205,37.512 L3.1@45.796,37.512 C4.1@47.952,37.512
NetC4_2: C4.2 L2.1 | length 4.6
  Signal w0.254: C4.2@48.832,37.512 53.008,37.512 L2.1@53.291,37.795
NetC6_2: C6.2 U7.8 | length 1.8
  Signal w0.152: U7.8@88.7,55.411 89.884,55.411 90.208,55.734 C6.2@90.322,55.734
NetC7_1: C7.1 C18.2 Y2.10 | length 26.2
  Signal w0.152: C18.2@56.883,51.752 C18.2@56.883,51.867 ; Y2.10@73.393,59.741 73.546,59.588 C7.1@79.61,59.588
  Signal w0.203: C18.2@56.883,51.867 59.403,51.867 67.277,59.741 Y2.10@73.393,59.741
NetC7_2: C7.2 U7.1 | length 7.3
  Signal w0.152: C7.2@80.41,59.588 80.41,59.488 84.488,55.411 U7.1@85.9,55.411
NetC10_1: C10.1 R8.1 | length 1.9
  Signal w0.203: C10.1@53.035,57.821 R8.1@53.035,59.689
NetC12_2: C12.2 U13.7 | length 2.1
  Signal w0.254: C12.2@184.455,78.01 184.502,78.01 184.582,77.93 U13.7@184.582,75.947
NetC17_1: C17.1 R8.2 U2.24 Y2.2 | length 26.3
  Signal w0.203: v1(40.843,55.423) 41.494,56.074 U2.24@42.294,56.074 ; v1(51.003,63.043) 51.003,61.609 51.041,61.571 51.255,61.357 R8.2@53.035,61.357 ; R8.2@53.289,61.357 C17.1@55.359,61.357 55.394,61.392 Y2.2@60.693,61.392
  Ground 3 w0.203: v1(40.843,55.423) 40.843,55.516 48.37,63.043 51.257,63.043
NetC18_1: C18.1 U2.5 | length 13.3
  Signal w0.203: U2.5@44.922,55.423 44.922,54.299 47.354,51.867 C18.1@56.083,51.867
NetC19_2: C19.2 U2.4 | length 2.4
  Signal w0.203: C19.2@44.437,53.05 44.445,53.058 U2.4@44.445,55.423
NetC33_1: C33.1 C34.1 L10.1 R13.2 U11.11 | length 23.8
  Signal w0.152: C34.1@153.01,62.551 153.085,62.551 153.383,62.849 153.383,62.924 153.552,63.093 155.042,63.093 155.042,65.086 C33.1@154.788,65.34 ; L10.1@156.058,63.093 156.489,62.662 157.632,62.662 162.216,58.078 167.604,58.078 167.729,58.203 167.568,58.364 167.496,58.364 167.479,58.382 167.45,58.382 167.234,58.598 167.234,62.058 166.98,62.312 U11.11@166.98,63.221
NetC33_2: C33.2 pad.2@155.868,69.148 R4_U_variable_gain_amp.1 U5_U_variable_gain_amp.9 U11.6 | length 24.4
  Signal w0.152: R4_U_variable_gain_amp.1@144.97,72.873 144.97,71.19 145.816,70.344 146.679,70.344 U5_U_variable_gain_amp.9@146.699,70.325 150.053,70.325 150.524,70.796 154.179,70.796 157.505,67.471 ; C33.2@154.788,66.69 156.724,66.69 157.505,67.471 ; U11.6@162.73,67.471 158.761,67.471 158.743,67.488 157.944,67.488 157.927,67.471 157.505,67.471
NetC38_1: C38.1 U13.1 | length 5.4
  Signal w0.254: C38.1@179.121,73.032 181.044,73.032 181.898,72.178 183.148,72.178 183.312,72.014 U13.1@183.312,71.22
NetC38_2: C38.2 U13.8 | length 5.1
  Signal w0.152: U13.8@183.113,76.632 U13.8@183.312,76.433
  Signal w0.254: C38.2@179.121,76.632 183.16,76.632 183.312,76.48 U13.8@183.312,75.947
NetC39_1: C39.1 L11.2 Y1.1 | length 9.8
  Signal w0.152: C39.1@95.696,69.005 97.118,69.005 97.252,69.139
  Signal w0.203: L11.2@95.07,71.78 96.545,71.78 97.298,71.028 97.298,69.185 97.252,69.139 Y1.1@101.016,69.139
NetC40_1: C40.1 L12.1 Y1.3 | length 7.4
  Signal w0.152: C40.1@110.822,69.031 cw(c111.006,69.031) 111.006,69.215 L12.1@113.14,69.215
  Signal w0.203: Y1.3@105.896,69.139 110.714,69.139 C40.1@110.822,69.031
NetC42_1: C42.1 J1.1 R11.2 R23.1 | length 11.7
  Signal w0.152: R23.1@38.049,61.519 39.313,61.519 ; C42.1@39.319,63.459 39.319,61.525 39.313,61.519 ; R11.2@40.831,61.265 40.576,61.519 39.313,61.519
  Signal w0.203: J1.1@33.477,57.455 33.477,58.34 34.391,59.253 35.884,59.253 38.049,61.419 R23.1@38.049,61.519
NetC44_1: C44.1 R6.2 | length 1.7
  Signal w0.152: R6.2@190.297,71.478 C44.1@190.297,73.2
NetC44_2: C44.2 C45.1 U13.5 | length 13.2
  Signal w0.254: U13.5@187.122,75.947 188.468,75.947 ; C45.1@188.316,65.963 188.468,66.115 188.468,75.947 ; C44.2@190.297,76 190.244,75.947 188.468,75.947
NetC45_2: C45.2 pad.2@183.4,54.157 R3.1 R14.1 | length 17.6
  Signal w0.254: R3.1@180.123,45.187 180.111,45.199 180.111,50.762 R14.1@180.098,50.775 180.123,50.775 180.221,50.873 180.221,51.018 187.043,57.84 187.193,57.84 188.163,58.81 C45.2@188.163,59.31
NetJ2_2: J2.2 R3.2 | length 4.6
  Signal w0.254: R3.2@180.873,45.187 180.971,45.089 185.208,45.089 J2.2@185.343,44.953
NetJ2_3: J2.3 R14.2 | length 4.5
  Signal w0.254: R14.2@180.848,50.775 180.909,50.714 185.282,50.714 J2.3@185.343,50.653
NetL1_2: L1.2 R1.1 | length 2.2
  Signal w0.254: L1.2@75.413,42.471 R1.1@77.66,42.471
NetL11_1: L11.1 T1.1 | length 5.4
  Signal w0.203: T1.1@88.665,70.465 89.981,71.78 L11.1@93.5,71.78
NetL12_2: L12.2 pad.2@117.704,69.266 U5_U_IF_amp.4 | length 9.3
  Signal w0.152: L12.2@114.368,69.215 cw(c114.47,69.215) L12.2@114.47,69.317 ; L12.2@114.653,69.317 123.753,69.317 U5_U_IF_amp.4@123.761,69.325
NetP2_1: P2.1 R2.1 SW1.3 SW1.4 U14.29 | length 37.9
  Signal w0.203: R2.1@53.177,68.123 53.177,68.223 53.595,68.641 SW1.3@53.595,70.445
  Signal w0.254: P2.1@29.413,75.743 30.946,77.276 42.749,77.276 ; U14.29@42.221,76.245 42.221,76.7 42.365,76.844 42.365,76.892 42.749,77.276 ; SW1.3@53.595,70.445 46.764,77.276 42.749,77.276
  Signal w0.508: SW1.3@53.595,70.445 SW1.4@60.095,70.445
NetP2_2: P2.2 U2.14 U14.17 | length 31.9
  Signal w0.152: P2.2@29.413,73.203 29.637,73.427 33.701,73.427 36.017,75.743 38.945,75.743 45.393,69.295 U14.17@46.771,69.295
  Signal w0.203: U2.14@44.945,59.225 44.945,62.027 46.771,63.853 U14.17@46.771,69.295
NetP2_3: P2.3 U14.16 | length 19.9
  Signal w0.152: v2(45.421,66.01) 45.421,66.085 45.415,66.091 45.421,66.097 U14.16@45.421,67.945
  Ground 3 w0.152: P2.3@29.413,70.663 29.637,70.439 40.992,70.439 v2(45.421,66.01)
NetP2_4: P2.4 U2.15 U14.15 | length 26
  Signal w0.152: P2.4@29.413,68.123 36.017,68.123 36.271,67.869 38.303,67.869 40.081,69.647 43.637,69.647 44.589,68.695 44.589,67.977 U14.15@44.621,67.945
  Signal w0.203: U2.15@44.445,59.225 44.445,59.57 44.468,59.593 44.468,63.94 44.653,64.125 U14.15@44.653,67.945
NetR4_U_IF_amp_1: pad.2@136.931,69.317 R4_U_IF_amp.1 U5_U_IF_amp.9 U5_U_variable_gain_amp.4 | length 18.2
  Signal w0.152: R4_U_IF_amp.1@126.682,72.873 126.682,71.19 127.528,70.344 128.391,70.344 U5_U_IF_amp.9@128.411,70.325 131.765,70.325 132.236,70.796 134.68,70.796 136.16,69.317 142.041,69.317 U5_U_variable_gain_amp.4@142.049,69.325
NetR4_U_IF_amp_2: R4_U_IF_amp.2 U5_U_IF_amp.1 | length 3.2
  Signal w0.152: U5_U_IF_amp.1@123.761,70.825 123.761,71.818 124.816,72.873 R4_U_IF_amp.2@125.489,72.873
NetR4_U_variable_gain_amp_2: R4_U_variable_gain_amp.2 U5_U_variable_gain_amp.1 | length 3.2
  Signal w0.152: U5_U_variable_gain_amp.1@142.049,70.825 142.049,71.818 143.104,72.873 R4_U_variable_gain_amp.2@143.777,72.873
NetR5_2: R5.2 U13.3 | length 7.2
  Signal w0.254: R5.2@182.146,66.269 182.146,66.319 183.732,67.905 185.025,67.905 185.852,68.732 U13.3@185.852,71.22
NetR5_3: pad.2@177.241,65.253 R5.3 U11.16 U11.17 | length 9.8
  Signal w0.152: U11.17@171.23,68.741 U11.16@171.23,67.471 174.185,67.471 176.387,65.269 R5.3@178.896,65.269
NetR7_U_IF_amp_1: R7_U_IF_amp.1 R10_U_IF_amp.1 U5_U_IF_amp.3 | length 11.4
  Signal w0.152: R10_U_IF_amp.1@119.736,75.921 R7_U_IF_amp.1@119.736,73.902 119.711,73.902 118.466,72.657 118.466,70.767 119.336,69.897 120.053,69.897 121.521,69.897 121.593,69.825 U5_U_IF_amp.3@123.761,69.825
NetR7_U_variable_gain_amp_1: R7_U_variable_gain_amp.1 R10_U_variable_gain_amp.1 U5_U_variable_gain_amp.3 | length 11.4
  Signal w0.152: R10_U_variable_gain_amp.1@138.024,75.921 R7_U_variable_gain_amp.1@138.024,73.902 137.999,73.902 136.754,72.657 136.754,70.767 137.624,69.897 138.341,69.897 139.809,69.897 139.881,69.825 U5_U_variable_gain_amp.3@142.049,69.825
NetR9_1: R9.1 R15.2 U9.1 | length 6.9
  Signal w0.254: R9.1@120.228,27.915 120.865,27.915 122.705,29.755 ; R15.2@122.925,27.915 122.925,29.535 122.705,29.755 ; U9.1@123.678,30.728 123.053,30.728 122.705,30.38 122.705,29.755
NetR11_1: R11.1 U2.17 | length 2.5
  Signal w0.152: R11.1@42.38,61.265 42.38,61.239 43.445,60.174 U2.17@43.445,59.225
NetR22_2: R22.2 U2.23 | length 4
  Signal w0.203: R22.2@38.341,56.574 U2.23@42.294,56.574
NetT1_4: pad.2@96.799,59.69 T1.4 U7.5 | length 29.1
  Signal w0.152: T1.4@85.65,70.536 85.955,70.231 86.438,70.231 87.124,69.546 87.124,67.359 89.23,65.253 91.364,65.253 96.799,59.817 pad.2@96.799,59.665 ; U7.5@88.7,53.911 93.789,53.911 96.799,56.921 pad.2@96.799,59.69
NetT1_6: pad.2@92.837,59.792 T1.6 U7.6 | length 21.1
  Signal w0.152: T1.6@85.65,67.488 85.661,67.478 85.661,66.968 88.544,64.085 91.985,60.643 91.986,60.642 92.605,59.998 92.648,59.955 pad.2@92.837,59.792 93.904,58.064 93.904,55.245 93.07,54.411 U7.6@88.7,54.411
NetU1_2: U1.2 U2.9 | length 2.5
  Signal w0.152: U2.9@46.096,57.074 46.986,57.074 47.367,56.693 U1.2@48.463,56.693
NetU2_16: U2.16 U14.12 | length 9.4
  Signal w0.203: U14.12@42.221,67.945 42.221,63.443 43.945,61.719 U2.16@43.945,59.225
NetU5_U_IF_amp_5: U5_U_IF_amp.5 VR1_U_IF_amp.1 | length 10.5
  Signal w0.152: U5_U_IF_amp.5@123.038,68.844 122.04,67.847 122.04,63.964 122.08,63.924 123.825,62.179 VR1_U_IF_amp.1@123.825,59.512
NetU5_U_IF_amp_6: U5_U_IF_amp.6 VR1_U_IF_amp.2 | length 8.8
  Signal w0.152: VR1_U_IF_amp.2@126.365,62.052 129.896,65.583 129.896,67.34 U5_U_IF_amp.6@128.411,68.825
NetU5_U_variable_gain_amp_5: U5_U_variable_gain_amp.5 VR1_U_variable_gain_amp.1 | length 10.4
  Signal w0.152: U5_U_variable_gain_amp.5@142.049,68.825 140.564,67.34 140.564,63.729 142.088,62.205 VR1_U_variable_gain_amp.1@142.088,59.665
NetU5_U_variable_gain_amp_6: U5_U_variable_gain_amp.6 VR1_U_variable_gain_amp.2 | length 8.9
  Signal w0.152: VR1_U_variable_gain_amp.2@144.628,62.205 144.856,62.205 148.311,65.659 148.311,67.213 U5_U_variable_gain_amp.6@146.699,68.825
pads on no net: J2. J2.4_1 J2.4_2 T1.2 U2.12 U2.20 U2.21 U4.1 U4.3 U11.14 U14.1 U14.2 U14.3 U14.6 U14.7 U14.8 U14.9 U14.10 U14.11 U14.13 U14.14 U14.19 U14.22 U14.23 U14.24 U14.25 U14.26 U14.27 U14.28 U14.30 U14.31 U14.32 VR1_U_IF_amp.3 VR1_U_variable_gain_amp.3 Y1.2

## Polygon pours and split planes (outlines as drawn)
+3V3 on 3V3_5V_12V "+3V3_L03_P005" (solid, pour order 5): 109.652,51.816 94.793,51.816 94.793,64.948 56.627,65.071 56.515,77.648 26.416,77.648 26.416,48.692 79.756,48.692 79.756,37.592 107.284,37.724 109.652,37.703
+12 on 3V3_5V_12V "+12_L03_P006" (solid, pour order 6): 120.498,36.576 120.498,27.432 75.286,27.432 75.286,38.532 77.216,38.532 77.216,36.576
+5 on 3V3_5V_12V "+5_L03_P004" (solid, pour order 4): 116.383,39.37 116.383,65.253 56.881,65.253 56.737,79.488 193.751,80.508 193.751,53.848 125.298,53.848 125.298,39.37
+1V9 on -5V_1V9 "+1V9_L05_P010" (solid, pour order 10): 107.412,77.906 107.412,42.854 26.924,42.854 26.924,77.906
-5 on -5V_1V9 "-5_L05_P009" (solid, pour order 9): 150.698,45.39 156.032,45.39 156.032,54.28 194.666,54.28 194.666,81.077 122.479,81.077 122.479,54.28 123.241,54.28 150.698,54.28
GND on Ground 3 "GND_L06_P001" (solid, pour order 1): 26.416,81.509 26.416,26.67 26.67,26.416 195.402,26.416 195.402,81.509
GND on Ground 2 "GND_L04_P002" (solid, pour order 2): 26.416,81.178 26.416,26.416 195.783,26.416 195.783,81.178
GND on Ground 1 "GND_L02_P003" (solid, pour order 3): 26.416,81.305 26.416,26.67 26.67,26.416 195.783,26.416 195.783,81.305

## Other copper
Signal:
  pour cut-out: 155.354,69.199 ccw(c155.867,69.153) 156.379,69.107 ccw(c155.867,69.153)
Ground 1:
  pour cut-out: 96.287,59.721 ccw(c96.799,59.675) 97.312,59.629 ccw(c96.799,59.675)
  pour cut-out: 92.324,59.848 ccw(c92.837,59.802) 93.35,59.756 ccw(c92.837,59.802)
  pour cut-out: 182.894,54.206 ccw(c183.406,54.159) 183.919,54.113 ccw(c183.406,54.159)
  pour cut-out: 176.728,65.298 ccw(c177.24,65.252) 177.753,65.206 ccw(c177.24,65.252)
  pour cut-out: 136.426,69.365 ccw(c136.939,69.318) 137.451,69.272 ccw(c136.939,69.318)
  pour cut-out: 117.191,69.323 ccw(c117.704,69.276) 118.216,69.23 ccw(c117.704,69.276)
  pour cut-out: 79.597,35.896 ccw(c80.11,35.85) 80.622,35.803 ccw(c80.11,35.85)
  pour cut-out: 64.129,32.485 ccw(c64.641,32.439) 65.154,32.393 ccw(c64.641,32.439)
  pour cut-out: 39.972,37.697 ccw(c40.485,37.65) 40.997,37.604 ccw(c40.485,37.65)

## Silkscreen, mask and mechanical layers (free items; w line width, h text height)
Top Overlay:
  text "U5" at 129.642,73.635 h1.52
  text "A2_OUT" at 151.813,70.572 h1
  text "MXR_OUT" at 114.195,67.372 h1
  text "A1_OUT" at 133.299,67.317 h1
  text "1V9" at 99.032,63.649 h1.5
  text "FMD_OUT" at 171.879,62.444 h1
  text "MXR_DIFF" at 90.421,61.403 h1
  text "+" at 91.183,59.495 h1
  text "-" at 97.965,59.339 h1
  text "GAIN_2" at 150.19,55.524 h1.52 r90
  text "GAIN_1" at 132.994,55.22 h1.52 r90
  text "5V" at 128.215,53.082 h1.5
  text "n5V" at 156.688,51.718 h1.5
  text "GND" at 163.271,42.164 h1.52
  text "n15V" at 163.271,37.897 h1.52
  text "3V3" at 113.255,37.461 h1.5
  text "RF_IN" at 37.309,35.063 h1
  text "HF_OUT" at 77.562,33.837 h1
  text "HF_IN" at 60.957,30.135 h1
  text "15V" at 135.103,28.448 h1.52
  text "12V" at 115.064,27.079 h1

## Text inside footprints (layer, text, board x,y; h text height)
C26: Top Overlay "+" at 127.902,44.921 h1.5 r180
C28: Top Overlay "+" at 109.85,58.762 h1.5 r180
C29: Top Overlay "+" at 127.026,36.035 h1.22 r180
C30: Top Overlay "+" at 110.34,31.242 h1.5
C38: Top Overlay "+" at 178.621,71.432 h1.22 r270
J2: Mechanical 13 "PCB EDGE" at 196.593,52.303 h1 r90